# Altium PCB PCB1.PcbDoc (part 2 of 15)
Units mm, origin at the board's own origin, x right, y up, seen from the top; angles counter-clockwise.
Board outline 77.21 x 58.7 mm, 2 copper layers (Top Layer, Bottom Layer); 194 components, 134 nets, 25878 pads, 596 vias.
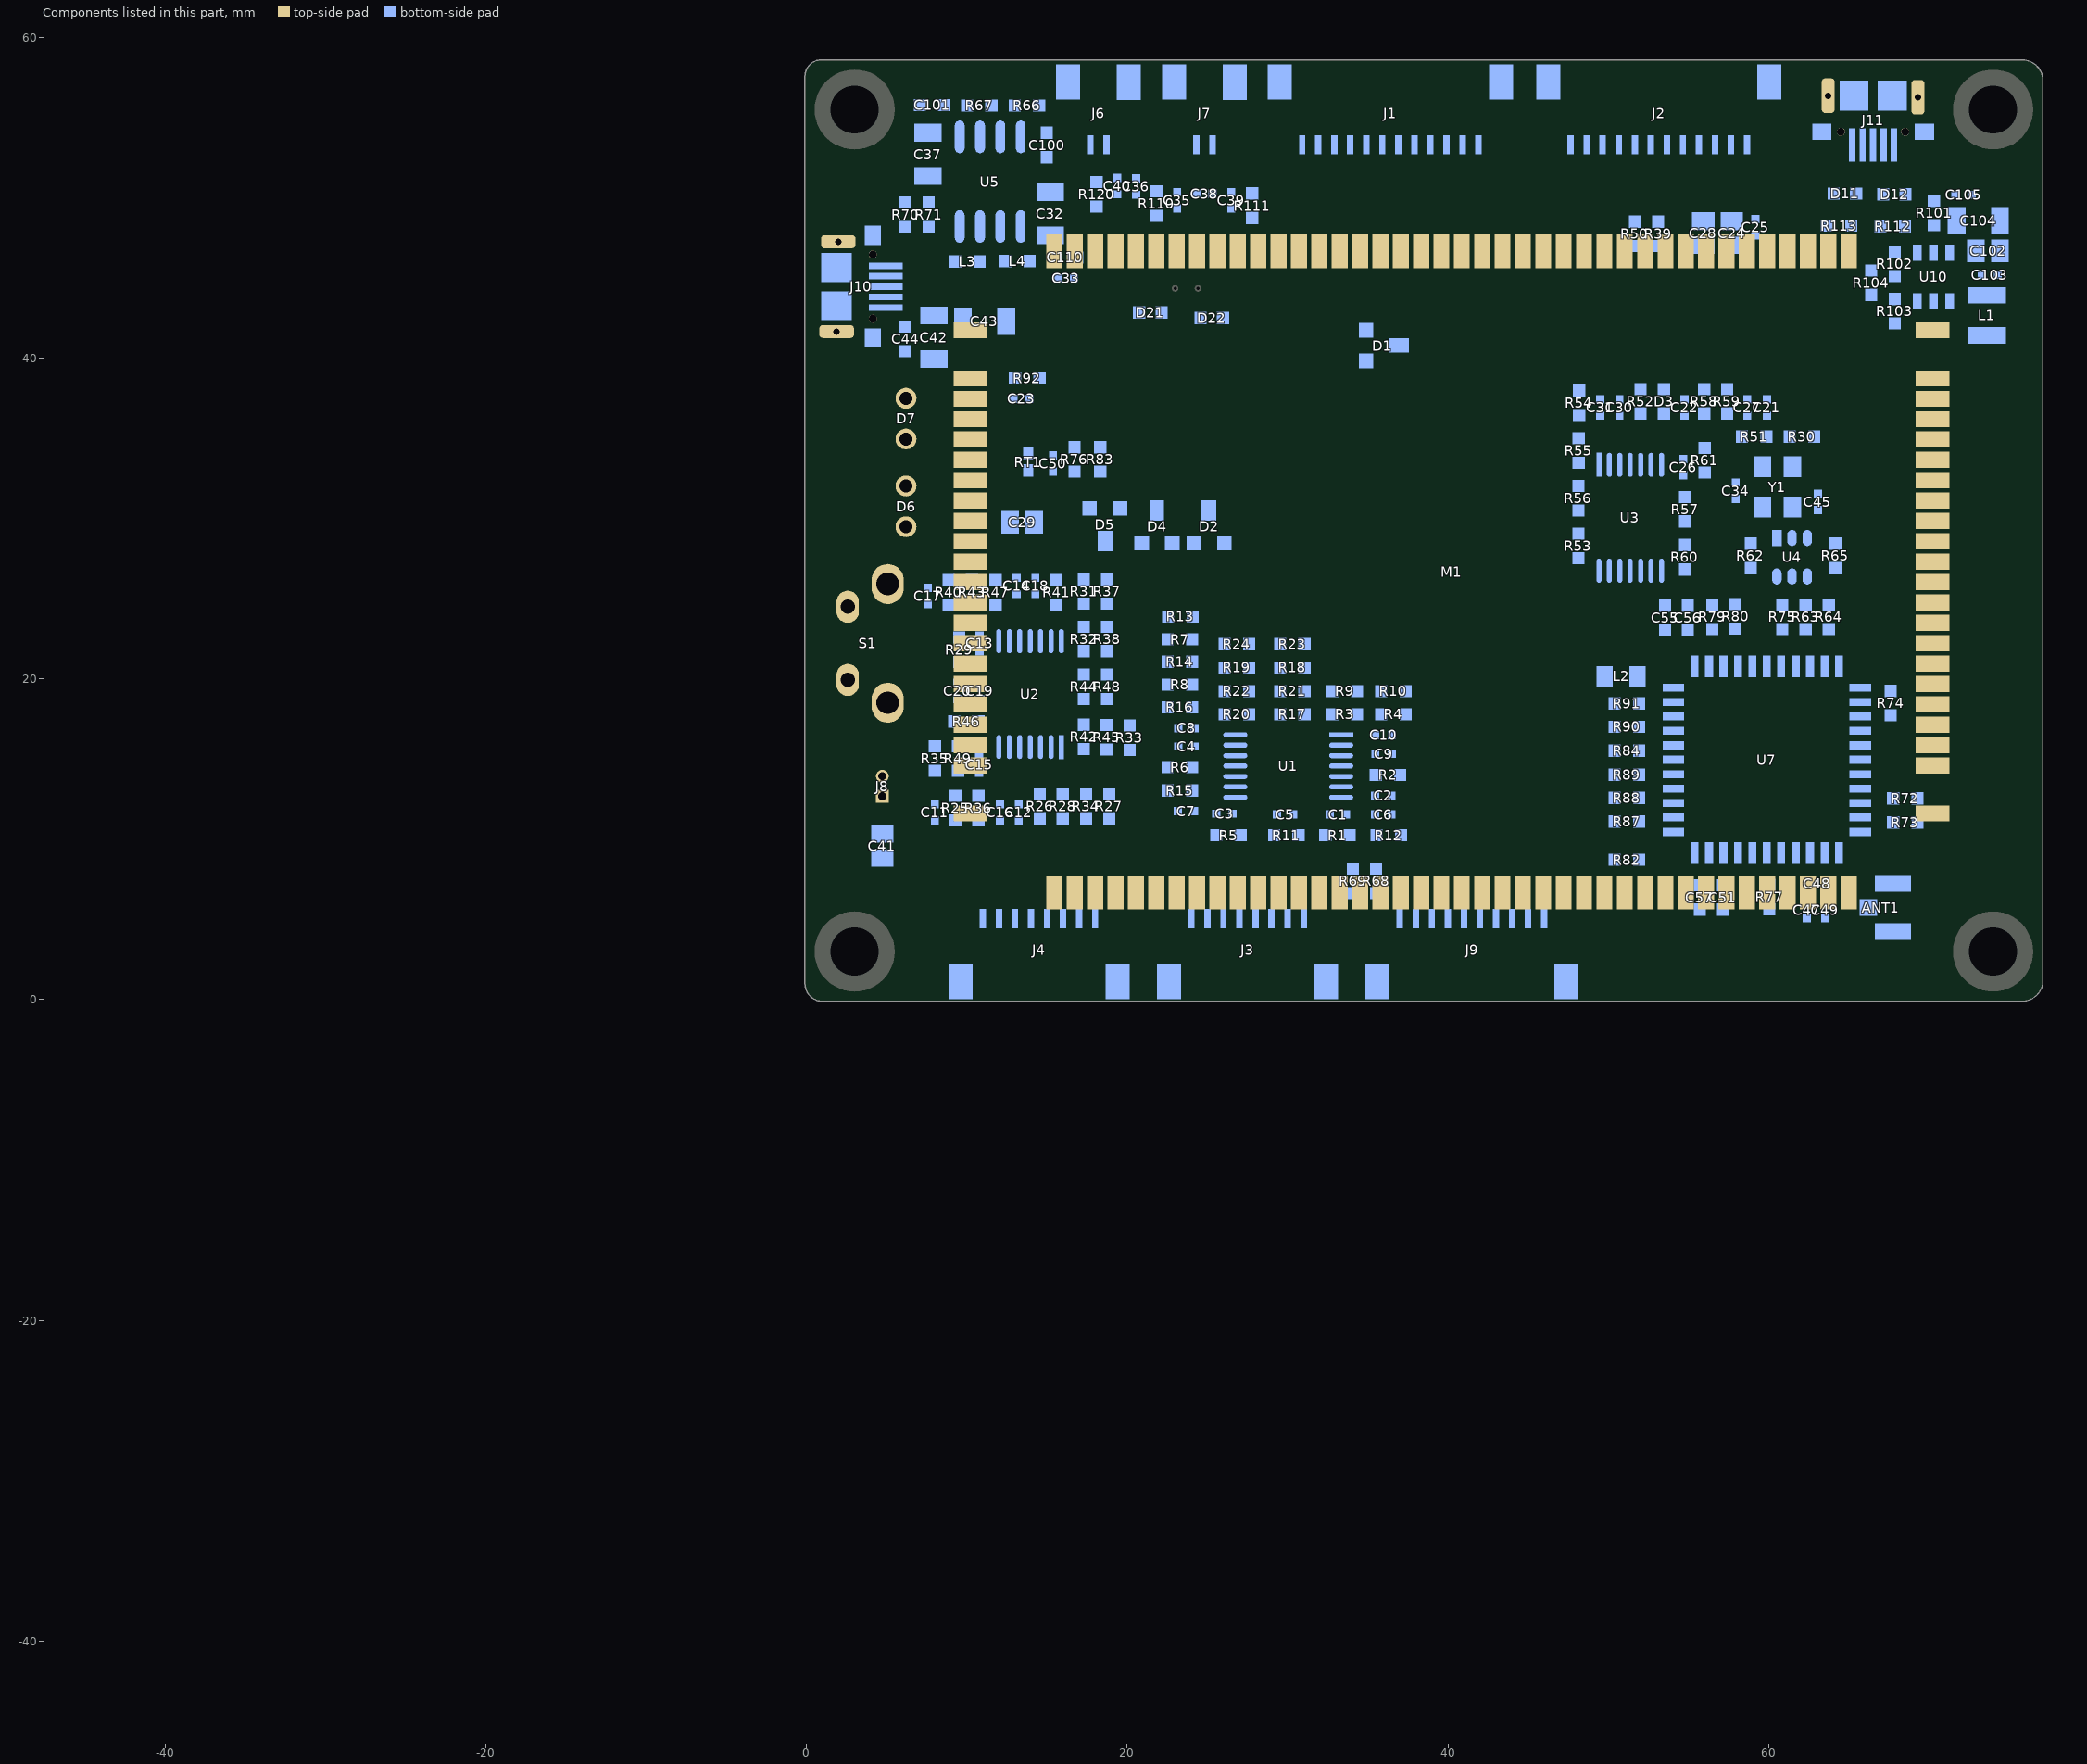
[diagram p2: the components of this part, seen from the top]

## Free pads (board coordinates) (continued)
  round 0 on Mech8: 1(-45.298,-44.004) 1(-45.298,-44.004) 1(-45.298,-44.004) 1(-45.298,-44.004) 1(-45.298,-44.004) 1(-45.298,-44.004) 1(-45.298,-44.001) 1(-45.298,-44.001) 1(-45.298,-44.001) 1(-45.298,-44.001) 1(-45.298,-44.001) 1(-45.298,-44.001) 1(-45.296,-43.994) 1(-45.296,-43.994) 1(-45.296,-43.994) 1(-45.296,-43.994) 1(-45.296,-43.994) 1(-45.296,-43.994) 1(-45.296,-43.994) 1(-45.296,-43.994) 1(-45.296,-43.994) 1(-45.296,-43.994) 1(-45.296,-43.994) 1(-45.296,-43.994) 1(-45.296,-43.988) 1(-45.296,-43.988) 1(-45.296,-43.988) 1(-45.296,-43.988) 1(-45.296,-43.988) 1(-45.296,-43.988) 1(-45.296,-43.988) 1(-45.296,-43.988) 1(-45.296,-43.988) 1(-45.296,-43.988) 1(-45.296,-43.988) 1(-45.296,-43.988) 1(-45.296,-43.995) 1(-45.296,-43.995) 1(-45.296,-43.995) 1(-45.296,-43.995) 1(-45.296,-43.995) 1(-45.296,-43.995) 1(-45.296,-43.989) 1(-45.296,-43.989) 1(-45.296,-43.989) 1(-45.296,-43.989) 1(-45.296,-43.989) 1(-45.296,-43.989) 1(-45.295,-43.994) 1(-45.295,-43.994) 1(-45.295,-43.994) 1(-45.295,-43.994) 1(-45.295,-43.994) 1(-45.295,-43.994) 1(-45.295,-43.988) 1(-45.295,-43.988) 1(-45.295,-43.988) 1(-45.295,-43.988) 1(-45.295,-43.988) 1(-45.295,-43.988) 1(-45.295,-43.992) 1(-45.295,-43.992) 1(-45.295,-43.992) 1(-45.295,-43.986) 1(-45.295,-43.986) 1(-45.295,-43.986) 1(-45.295,-43.997) 1(-45.295,-43.997) 1(-45.295,-43.997) 1(-45.295,-43.997) 1(-45.295,-43.997) 1(-45.295,-43.997) 1(-45.295,-43.992) 1(-45.295,-43.992) 1(-45.295,-43.992) 1(-45.295,-43.991) 1(-45.295,-43.991) 1(-45.295,-43.991) 1(-45.295,-43.991) 1(-45.295,-43.991) 1(-45.295,-43.991) 1(-45.295,-43.986) 1(-45.295,-43.986) 1(-45.295,-43.986) 1(-45.295,-43.995) 1(-45.295,-43.995) 1(-45.295,-43.995) 1(-45.295,-43.994) 1(-45.295,-43.994) 1(-45.295,-43.994) 1(-45.295,-43.994) 1(-45.295,-43.994) 1(-45.295,-43.994) 1(-45.295,-43.994) 1(-45.295,-43.994) 1(-45.295,-43.994) 1(-45.295,-43.99) 1(-45.295,-43.99) 1(-45.295,-43.99) 1(-45.295,-43.989) 1(-45.295,-43.989) 1(-45.295,-43.989) 1(-45.295,-43.989) 1(-45.295,-43.989) 1(-45.295,-43.989) 1(-45.295,-43.988) 1(-45.295,-43.988) 1(-45.295,-43.988) 1(-45.294,-43.995) 1(-45.294,-43.995) 1(-45.294,-43.995) 1(-45.294,-43.995) 1(-45.294,-43.995) 1(-45.294,-43.995) 1(-45.294,-43.989) 1(-45.294,-43.989) 1(-45.294,-43.989) 1(-45.294,-43.989) 1(-45.294,-43.989) 1(-45.294,-43.989) 1(-45.294,-43.996) 1(-45.294,-43.996) 1(-45.294,-43.996) 1(-45.294,-43.992) 1(-45.294,-43.992) 1(-45.294,-43.992) 1(-45.294,-43.991) 1(-45.294,-43.991) 1(-45.294,-43.991) 1(-45.294,-43.986) 1(-45.294,-43.986) 1(-45.294,-43.986) 1(-45.294,-43.984) 1(-45.294,-43.984) 1(-45.294,-43.984) 1(-45.294,-43.984) 1(-45.294,-43.984) 1(-45.294,-43.984) 1(-45.294,-43.977) 1(-45.294,-43.977) 1(-45.294,-43.977) 1(-45.294,-43.977) 1(-45.294,-43.977) 1(-45.294,-43.977) 1(-45.294,-43.997) 1(-45.294,-43.997) 1(-45.294,-43.997) 1(-45.294,-43.997) 1(-45.294,-43.997) 1(-45.294,-43.997) 1(-45.294,-43.992) 1(-45.294,-43.992) 1(-45.294,-43.992) 1(-45.294,-43.992) 1(-45.294,-43.992) 1(-45.294,-43.992) 1(-45.294,-43.991) 1(-45.294,-43.991) 1(-45.294,-43.991) 1(-45.294,-43.991) 1(-45.294,-43.991) 1(-45.294,-43.991) 1(-45.294,-43.986) 1(-45.294,-43.986) 1(-45.294,-43.986) 1(-45.294,-43.986) 1(-45.294,-43.986) 1(-45.294,-43.986) 1(-45.294,-44.007) 1(-45.294,-44.007) 1(-45.294,-44.007) 1(-45.294,-44.007) 1(-45.294,-44.007) 1(-45.294,-44.007) 1(-45.294,-44.004) 1(-45.294,-44.004) 1(-45.294,-44.004) 1(-45.294,-44.004) 1(-45.294,-44.004) 1(-45.294,-44.004) 1(-45.294,-44.001) 1(-45.294,-44.001) 1(-45.294,-44.001) 1(-45.294,-44.001) 1(-45.294,-44.001) 1(-45.294,-44.001) 1(-45.294,-43.999) 1(-45.294,-43.999) 1(-45.294,-43.999) 1(-45.294,-43.999) 1(-45.294,-43.999) 1(-45.294,-43.999) 1(-45.293,-43.995) 1(-45.293,-43.995) 1(-45.293,-43.995) 1(-45.293,-43.993) 1(-45.293,-43.993) 1(-45.293,-43.993) 1(-45.293,-43.99) 1(-45.293,-43.99) 1(-45.293,-43.99) 1(-45.293,-43.988) 1(-45.293,-43.988) 1(-45.293,-43.988) 1(-45.29,-44.013) 1(-45.29,-44.013) 1(-45.29,-44.013) 1(-45.29,-44.013) 1(-45.29,-44.013) 1(-45.29,-44.013) 1(-45.29,-44.01) 1(-45.29,-44.01) 1(-45.29,-44.01) 1(-45.29,-44.01) 1(-45.29,-44.01) 1(-45.29,-44.01) 1(-45.29,-44.007) 1(-45.29,-44.007) 1(-45.29,-44.007) 1(-45.29,-43.999) 1(-45.29,-43.999) 1(-45.29,-43.999) 1(-45.289,-43.995) 1(-45.289,-43.995) 1(-45.289,-43.995) 1(-45.289,-43.99) 1(-45.289,-43.99) 1(-45.289,-43.99) 1(-45.289,-43.984) 1(-45.289,-43.984) 1(-45.289,-43.984) 1(-45.289,-43.984) 1(-45.289,-43.984) 1(-45.289,-43.984) 1(-45.289,-43.982) 1(-45.289,-43.982) 1(-45.289,-43.982) 1(-45.289,-43.979) 1(-45.289,-43.979) 1(-45.289,-43.979) 1(-45.289,-43.977) 1(-45.289,-43.977) 1(-45.289,-43.977) 1(-45.289,-43.977) 1(-45.289,-43.977) 1(-45.289,-43.977) 1(-45.288,-43.993) 1(-45.288,-43.993) 1(-45.288,-43.993) 1(-45.288,-43.988) 1(-45.288,-43.988) 1(-45.288,-43.988) 1(-45.288,-43.983) 1(-45.288,-43.983) 1(-45.288,-43.983) 1(-45.288,-43.983) 1(-45.288,-43.983) 1(-45.288,-43.983) 1(-45.288,-43.983) 1(-45.288,-43.983) 1(-45.288,-43.983) 1(-45.288,-43.977) 1(-45.288,-43.977) 1(-45.288,-43.977) 1(-45.288,-43.977) 1(-45.288,-43.977) 1(-45.288,-43.977) 1(-45.288,-43.976) 1(-45.288,-43.976) 1(-45.288,-43.976) 1(-45.288,-43.976) 1(-45.288,-43.976) 1(-45.288,-43.976) 1(-45.288,-43.975) 1(-45.288,-43.975) 1(-45.288,-43.975) 1(-45.288,-43.975) 1(-45.288,-43.975) 1(-45.288,-43.975) 1(-45.288,-44.013) 1(-45.288,-44.013) 1(-45.288,-44.013) 1(-45.288,-44.013) 1(-45.288,-44.013) 1(-45.288,-44.013) 1(-45.288,-44.01) 1(-45.288,-44.01) 1(-45.288,-44.01) 1(-45.288,-44.01) 1(-45.288,-44.01) 1(-45.288,-44.01) 1(-45.287,-44.007) 1(-45.287,-44.007) 1(-45.287,-44.007) 1(-45.287,-43.999) 1(-45.287,-43.999) 1(-45.287,-43.999) 1(-45.287,-43.983) 1(-45.287,-43.983) 1(-45.287,-43.983) 1(-45.287,-43.983) 1(-45.287,-43.983) 1(-45.287,-43.983) 1(-45.287,-43.983) 1(-45.287,-43.983) 1(-45.287,-43.983) 1(-45.287,-43.977) 1(-45.287,-43.977) 1(-45.287,-43.977) 1(-45.287,-43.977) 1(-45.287,-43.977) 1(-45.287,-43.977) 1(-45.287,-43.976) 1(-45.287,-43.976) 1(-45.287,-43.976) 1(-45.287,-43.976) 1(-45.287,-43.976) 1(-45.287,-43.976) 1(-45.287,-43.975) 1(-45.287,-43.975) 1(-45.287,-43.975) 1(-45.287,-43.975) 1(-45.287,-43.975) 1(-45.287,-43.975) 1(-45.287,-44.007) 1(-45.287,-44.007) 1(-45.287,-44.007) 1(-45.287,-44.007) 1(-45.287,-44.007) 1(-45.287,-44.007) 1(-45.287,-43.999) 1(-45.287,-43.999) 1(-45.287,-43.999) 1(-45.287,-43.999) 1(-45.287,-43.999) 1(-45.287,-43.999) 1(-45.287,-43.977) 1(-45.287,-43.977) 1(-45.287,-43.977) 1(-45.287,-43.977) 1(-45.287,-43.977) 1(-45.287,-43.977) 1(-45.287,-43.976) 1(-45.287,-43.976) 1(-45.287,-43.976) 1(-45.287,-43.976) 1(-45.287,-43.976) 1(-45.287,-43.976) 1(-45.287,-43.975) 1(-45.287,-43.975) 1(-45.287,-43.975) 1(-45.287,-43.975) 1(-45.287,-43.975) 1(-45.287,-43.975) 1(-45.286,-43.999) 1(-45.286,-43.999) 1(-45.286,-43.999) 1(-45.286,-43.999) 1(-45.286,-43.999) 1(-45.286,-43.999) 1(-45.286,-44.011) 1(-45.286,-44.011) 1(-45.286,-44.011) 1(-45.286,-44.011) 1(-45.286,-44.011) 1(-45.286,-44.011) 1(-45.286,-44.01) 1(-45.286,-44.01) 1(-45.286,-44.01) 1(-45.286,-44.01) 1(-45.286,-44.01) 1(-45.286,-44.01) 1(-45.286,-44.008) 1(-45.286,-44.008) 1(-45.286,-44.008) 1(-45.286,-44.008) 1(-45.286,-44.008) 1(-45.286,-44.008) 1(-45.286,-43.999) 1(-45.286,-43.999) 1(-45.286,-43.999) 1(-45.286,-43.999) 1(-45.286,-43.999) 1(-45.286,-43.999) 1(-45.286,-44.012) 1(-45.286,-44.012) 1(-45.286,-44.012) 1(-45.286,-44.012) 1(-45.286,-44.012) 1(-45.286,-44.012) 1(-45.286,-43.999) 1(-45.286,-43.999) 1(-45.286,-43.999) 1(-45.286,-43.999) 1(-45.286,-43.999) 1(-45.286,-43.999) 1(-45.286,-44.012) 1(-45.286,-44.012) 1(-45.286,-44.012) 1(-45.286,-44.012) 1(-45.286,-44.012) 1(-45.286,-44.012) 1(-45.285,-43.97) 1(-45.285,-43.97) 1(-45.285,-43.97) 1(-45.285,-43.969) 1(-45.285,-43.969) 1(-45.285,-43.969) 1(-45.285,-44.001) 1(-45.285,-44.001) 1(-45.285,-44.001) 1(-45.285,-44.001) 1(-45.285,-44.001) 1(-45.285,-44.001) 1(-45.285,-44) 1(-45.285,-44) 1(-45.285,-44) 1(-45.285,-43.999) 1(-45.285,-43.999) 1(-45.285,-43.999) 1(-45.285,-43.998) 1(-45.285,-43.998) 1(-45.285,-43.998) 1(-45.285,-43.998) 1(-45.285,-43.998) 1(-45.285,-43.998) 1(-45.285,-44.012) 1(-45.285,-44.012) 1(-45.285,-44.012) 1(-45.285,-44.012) 1(-45.285,-44.012) 1(-45.285,-44.012) 1(-45.285,-43.977) 1(-45.285,-43.977) 1(-45.285,-43.977) 1(-45.285,-43.977) 1(-45.285,-43.977) 1(-45.285,-43.977) 1(-45.285,-43.976) 1(-45.285,-43.976) 1(-45.285,-43.976) 1(-45.285,-43.976) 1(-45.285,-43.976) 1(-45.285,-43.976) 1(-45.285,-43.975) 1(-45.285,-43.975) 1(-45.285,-43.975) 1(-45.285,-43.975) 1(-45.285,-43.975) 1(-45.285,-43.975) 1(-45.285,-44.008) 1(-45.285,-44.008) 1(-45.285,-44.008) 1(-45.285,-44.008) 1(-45.285,-44.008) 1(-45.285,-44.008) 1(-45.285,-44.007) 1(-45.285,-44.007) 1(-45.285,-44.007) 1(-45.285,-44.007) 1(-45.285,-44.007) 1(-45.285,-44.007) 1(-45.285,-44.014) 1(-45.285,-44.014) 1(-45.285,-44.014) 1(-45.285,-44.014) 1(-45.285,-44.014) 1(-45.285,-44.014) 1(-45.285,-44.013) 1(-45.285,-44.013) 1(-45.285,-44.013) 1(-45.285,-44.013) 1(-45.285,-44.013) 1(-45.285,-44.013) 1(-45.285,-44.012) 1(-45.285,-44.012) 1(-45.285,-44.012) 1(-45.285,-44.012) 1(-45.285,-44.012) 1(-45.285,-44.012) 1(-45.285,-44.011) 1(-45.285,-44.011) 1(-45.285,-44.011) 1(-45.285,-44.011) 1(-45.285,-44.011) 1(-45.285,-44.011) 1(-45.285,-44.01) 1(-45.285,-44.01) 1(-45.285,-44.01) 1(-45.285,-44.01) 1(-45.285,-44.01) 1(-45.285,-44.01) 1(-45.285,-44.008) 1(-45.285,-44.008) 1(-45.285,-44.008) 1(-45.285,-44.008) 1(-45.285,-44.008) 1(-45.285,-44.008) 1(-45.285,-43.98) 1(-45.285,-43.98) 1(-45.285,-43.98) 1(-45.285,-43.98) 1(-45.285,-43.98) 1(-45.285,-43.98) 1(-45.285,-43.978) 1(-45.285,-43.978) 1(-45.285,-43.978) 1(-45.285,-43.978) 1(-45.285,-43.978) 1(-45.285,-43.978) 1(-45.285,-44.011) 1(-45.285,-44.011) 1(-45.285,-44.011) 1(-45.285,-44.011) 1(-45.285,-44.011) 1(-45.285,-44.011) 1(-45.285,-44.01) 1(-45.285,-44.01) 1(-45.285,-44.01) 1(-45.285,-44.01) 1(-45.285,-44.01) 1(-45.285,-44.01) 1(-45.285,-44.008) 1(-45.285,-44.008) 1(-45.285,-44.008) 1(-45.285,-44.008) 1(-45.285,-44.008) 1(-45.285,-44.008) 1(-45.285,-44.005) 1(-45.285,-44.005) 1(-45.285,-44.005) 1(-45.285,-44.005) 1(-45.285,-44.005) 1(-45.285,-44.005) 1(-45.285,-44.003) 1(-45.285,-44.003) 1(-45.285,-44.003) 1(-45.285,-44.003) 1(-45.285,-44.003) 1(-45.285,-44.003) 1(-45.285,-44.002) 1(-45.285,-44.002) 1(-45.285,-44.002) 1(-45.285,-44.002) 1(-45.285,-44.002) 1(-45.285,-44.002) 1(-45.285,-43.975) 1(-45.285,-43.975) 1(-45.285,-43.975) 1(-45.285,-43.975) 1(-45.285,-43.975) 1(-45.285,-43.975) 1(-45.285,-43.975) 1(-45.285,-43.975) 1(-45.285,-43.975) 1(-45.285,-43.975) 1(-45.285,-43.975) 1(-45.285,-43.975) 1(-45.285,-43.973) 1(-45.285,-43.973) 1(-45.285,-43.973) 1(-45.285,-43.973) 1(-45.285,-43.973) 1(-45.285,-43.973) 1(-45.285,-43.973) 1(-45.285,-43.973) 1(-45.285,-43.973) 1(-45.285,-43.973) 1(-45.285,-43.973) 1(-45.285,-43.973) 1(-45.285,-43.97) 1(-45.285,-43.97) 1(-45.285,-43.97) 1(-45.285,-43.97) 1(-45.285,-43.97) 1(-45.285,-43.97) 1(-45.285,-43.969) 1(-45.285,-43.969) 1(-45.285,-43.969) 1(-45.285,-43.969) 1(-45.285,-43.969) 1(-45.285,-43.969) 1(-45.285,-44.007) 1(-45.285,-44.007) 1(-45.285,-44.007) 1(-45.285,-44.007) 1(-45.285,-44.007) 1(-45.285,-44.007) 1(-45.284,-43.97) 1(-45.284,-43.97) 1(-45.284,-43.97) 1(-45.284,-43.97) 1(-45.284,-43.97) 1(-45.284,-43.97) 1(-45.284,-43.969) 1(-45.284,-43.969) 1(-45.284,-43.969) 1(-45.284,-43.969) 1(-45.284,-43.969) 1(-45.284,-43.969) 1(-45.284,-44.001) 1(-45.284,-44.001) 1(-45.284,-44.001) 1(-45.284,-44.001) 1(-45.284,-44.001) 1(-45.284,-44.001) 1(-45.284,-44) 1(-45.284,-44) 1(-45.284,-44) 1(-45.284,-43.999) 1(-45.284,-43.999) 1(-45.284,-43.999) 1(-45.284,-43.998) 1(-45.284,-43.998) 1(-45.284,-43.998) 1(-45.284,-43.998) 1(-45.284,-43.998) 1(-45.284,-43.998) 1(-45.284,-44.022) 1(-45.284,-44.022) 1(-45.284,-44.022) 1(-45.284,-44.02) 1(-45.284,-44.02) 1(-45.284,-44.02) 1(-45.284,-44.02) 1(-45.284,-44.02) 1(-45.284,-44.02) 1(-45.284,-44.007) 1(-45.284,-44.007) 1(-45.284,-44.007) 1(-45.284,-44.007) 1(-45.284,-44.007) 1(-45.284,-44.007) 1(-45.284,-44.008) 1(-45.284,-44.008) 1(-45.284,-44.008) 1(-45.284,-44.007) 1(-45.284,-44.007) 1(-45.284,-44.007) 1(-45.284,-43.98) 1(-45.284,-43.98) 1(-45.284,-43.98) 1(-45.284,-43.978) 1(-45.284,-43.978) 1(-45.284,-43.978) 1(-45.284,-44.007) 1(-45.284,-44.007) 1(-45.284,-44.007) 1(-45.284,-44.007) 1(-45.284,-44.007) 1(-45.284,-44.007) 1(-45.284,-44.001) 1(-45.284,-44.001) 1(-45.284,-44.001) 1(-45.284,-44.001) 1(-45.284,-44.001) 1(-45.284,-44.001) 1(-45.284,-44) 1(-45.284,-44) 1(-45.284,-44) 1(-45.284,-43.999) 1(-45.284,-43.999) 1(-45.284,-43.999) 1(-45.284,-43.998) 1(-45.284,-43.998) 1(-45.284,-43.998) 1(-45.284,-43.998) 1(-45.284,-43.998) 1(-45.284,-43.998) 1(-45.284,-44.014) 1(-45.284,-44.014) 1(-45.284,-44.014) 1(-45.284,-44.014) 1(-45.284,-44.014) 1(-45.284,-44.014) 1(-45.284,-44.013) 1(-45.284,-44.013) 1(-45.284,-44.013) 1(-45.284,-44.013) 1(-45.284,-44.013) 1(-45.284,-44.013) 1(-45.284,-44.012) 1(-45.284,-44.012) 1(-45.284,-44.012) 1(-45.284,-44.012) 1(-45.284,-44.012) 1(-45.284,-44.012) 1(-45.284,-44.014) 1(-45.284,-44.014) 1(-45.284,-44.014) 1(-45.284,-44.014) 1(-45.284,-44.014) 1(-45.284,-44.014) 1(-45.284,-44.013) 1(-45.284,-44.013) 1(-45.284,-44.013) 1(-45.284,-44.013) 1(-45.284,-44.013) 1(-45.284,-44.013) 1(-45.284,-44.012) 1(-45.284,-44.012) 1(-45.284,-44.012) 1(-45.284,-44.012) 1(-45.284,-44.012) 1(-45.284,-44.012) 1(-45.284,-44.011) 1(-45.284,-44.011) 1(-45.284,-44.011) 1(-45.284,-44.011) 1(-45.284,-44.011) 1(-45.284,-44.011) 1(-45.284,-44.01) 1(-45.284,-44.01) 1(-45.284,-44.01) 1(-45.284,-44.01) 1(-45.284,-44.01) 1(-45.284,-44.01) 1(-45.284,-44.008) 1(-45.284,-44.008) 1(-45.284,-44.008) 1(-45.284,-44.008) 1(-45.284,-44.008) 1(-45.284,-44.008) 1(-45.284,-44.005) 1(-45.284,-44.005) 1(-45.284,-44.005) 1(-45.284,-44.005) 1(-45.284,-44.005) 1(-45.284,-44.005) 1(-45.284,-44.003) 1(-45.284,-44.003) 1(-45.284,-44.003) 1(-45.284,-44.003) 1(-45.284,-44.003) 1(-45.284,-44.003) 1(-45.284,-44.002) 1(-45.284,-44.002) 1(-45.284,-44.002) 1(-45.284,-44.002) 1(-45.284,-44.002) 1(-45.284,-44.002) 1(-45.283,-44.008) 1(-45.283,-44.008) 1(-45.283,-44.008) 1(-45.283,-44.007) 1(-45.283,-44.007) 1(-45.283,-44.007) 1(-45.283,-43.97) 1(-45.283,-43.97) 1(-45.283,-43.97) 1(-45.283,-43.969) 1(-45.283,-43.969) 1(-45.283,-43.969) 1(-45.283,-44.02) 1(-45.283,-44.02) 1(-45.283,-44.02) 1(-45.283,-43.98) 1(-45.283,-43.98) 1(-45.283,-43.98) 1(-45.283,-43.978) 1(-45.283,-43.978) 1(-45.283,-43.978) 1(-45.283,-44.011) 1(-45.283,-44.011) 1(-45.283,-44.011) 1(-45.283,-44.011) 1(-45.283,-44.011) 1(-45.283,-44.011) 1(-45.283,-44.002) 1(-45.283,-44.002) 1(-45.283,-44.002) 1(-45.283,-44.002) 1(-45.283,-44.002) 1(-45.283,-44.002) 1(-45.283,-44.005) 1(-45.283,-44.005) 1(-45.283,-44.005) 1(-45.283,-44.005) 1(-45.283,-44.005) 1(-45.283,-44.005) 1(-45.283,-44.025) 1(-45.283,-44.025) 1(-45.283,-44.025) 1(-45.283,-44.002) 1(-45.283,-44.002) 1(-45.283,-44.002) 1(-45.283,-44.002) 1(-45.283,-44.002) 1(-45.283,-44.002) 1(-45.283,-44.005) 1(-45.283,-44.005) 1(-45.283,-44.005) 1(-45.283,-44.005) 1(-45.283,-44.005) 1(-45.283,-44.005) 1(-45.283,-44.011) 1(-45.283,-44.011) 1(-45.283,-44.011) 1(-45.283,-44.011) 1(-45.283,-44.011) 1(-45.283,-44.011) 1(-45.283,-44.001) 1(-45.283,-44.001) 1(-45.283,-44.001) 1(-45.283,-44.001) 1(-45.283,-44.001) 1(-45.283,-44.001) 1(-45.283,-44) 1(-45.283,-44) 1(-45.283,-44) 1(-45.283,-43.999) 1(-45.283,-43.999) 1(-45.283,-43.999) 1(-45.283,-43.998) 1(-45.283,-43.998) 1(-45.283,-43.998) 1(-45.283,-43.998) 1(-45.283,-43.998) 1(-45.283,-43.998) 1(-45.283,-44.011) 1(-45.283,-44.011) 1(-45.283,-44.011) 1(-45.283,-44.011) 1(-45.283,-44.011) 1(-45.283,-44.011) 1(-45.283,-44.002) 1(-45.283,-44.002) 1(-45.283,-44.002) 1(-45.283,-44.002) 1(-45.283,-44.002) 1(-45.283,-44.002) 1(-45.283,-44.005) 1(-45.283,-44.005) 1(-45.283,-44.005) 1(-45.283,-44.005) 1(-45.283,-44.005) 1(-45.283,-44.005) 1(-45.283,-44.001) 1(-45.283,-44.001) 1(-45.283,-44.001) 1(-45.283,-44.001) 1(-45.283,-44.001) 1(-45.283,-44.001) 1(-45.283,-44) 1(-45.283,-44) 1(-45.283,-44) 1(-45.283,-43.999) 1(-45.283,-43.999) 1(-45.283,-43.999) 1(-45.283,-43.998) 1(-45.283,-43.998) 1(-45.283,-43.998) 1(-45.283,-43.998) 1(-45.283,-43.998) 1(-45.283,-43.998) 1(-45.283,-43.97) 1(-45.283,-43.97) 1(-45.283,-43.97) 1(-45.283,-43.969) 1(-45.283,-43.969) 1(-45.283,-43.969) 1(-45.282,-44.011) 1(-45.282,-44.011) 1(-45.282,-44.011) 1(-45.282,-44.014) 1(-45.282,-44.014) 1(-45.282,-44.014) 1(-45.282,-44.014) 1(-45.282,-44.014) 1(-45.282,-44.014) 1(-45.282,-44.013) 1(-45.282,-44.013) 1(-45.282,-44.013) 1(-45.282,-44.013) 1(-45.282,-44.013) 1(-45.282,-44.013) 1(-45.282,-44.012) 1(-45.282,-44.012) 1(-45.282,-44.012) 1(-45.282,-44.012) 1(-45.282,-44.012) 1(-45.282,-44.012) 1(-45.282,-44.008) 1(-45.282,-44.008) 1(-45.282,-44.008) 1(-45.282,-44.008) 1(-45.282,-44.008) 1(-45.282,-44.008) 1(-45.282,-44.007) 1(-45.282,-44.007) 1(-45.282,-44.007) 1(-45.282,-44.007) 1(-45.282,-44.007) 1(-45.282,-44.007) 1(-45.282,-43.98) 1(-45.282,-43.98) 1(-45.282,-43.98) 1(-45.282,-43.98) 1(-45.282,-43.98) 1(-45.282,-43.98) 1(-45.282,-43.978) 1(-45.282,-43.978) 1(-45.282,-43.978) 1(-45.282,-43.978) 1(-45.282,-43.978) 1(-45.282,-43.978) 1(-45.282,-44.008) 1(-45.282,-44.008) 1(-45.282,-44.008) 1(-45.282,-44.008) 1(-45.282,-44.008) 1(-45.282,-44.008) 1(-45.282,-44.004) 1(-45.282,-44.004) 1(-45.282,-44.004) 1(-45.282,-44.004) 1(-45.282,-44.004) 1(-45.282,-44.004) 1(-45.282,-44.011) 1(-45.282,-44.011) 1(-45.282,-44.011) 1(-45.282,-44.011) 1(-45.282,-44.011) 1(-45.282,-44.011) 1(-45.282,-43.98) 1(-45.282,-43.98) 1(-45.282,-43.98) 1(-45.282,-43.98) 1(-45.282,-43.98) 1(-45.282,-43.98) 1(-45.282,-43.978) 1(-45.282,-43.978) 1(-45.282,-43.978) 1(-45.282,-43.978) 1(-45.282,-43.978) 1(-45.282,-43.978) 1(-45.282,-44.014) 1(-45.282,-44.014) 1(-45.282,-44.014) 1(-45.282,-44.014) 1(-45.282,-44.014) 1(-45.282,-44.014) 1(-45.282,-44.011) 1(-45.282,-44.011) 1(-45.282,-44.011) 1(-45.282,-44.011) 1(-45.282,-44.011) 1(-45.282,-44.011) 1(-45.282,-44.011) 1(-45.282,-44.011) 1(-45.282,-44.011) 1(-45.281,-43.97) 1(-45.281,-43.97) 1(-45.281,-43.97) 1(-45.281,-43.97) 1(-45.281,-43.97) 1(-45.281,-43.97) 1(-45.281,-43.969) 1(-45.281,-43.969) 1(-45.281,-43.969) 1(-45.281,-43.969) 1(-45.281,-43.969) 1(-45.281,-43.969) 1(-45.281,-44.014) 1(-45.281,-44.014) 1(-45.281,-44.014) 1(-45.281,-44.014) 1(-45.281,-44.014) 1(-45.281,-44.014) 1(-45.281,-44.014) 1(-45.281,-44.014) 1(-45.281,-44.014) 1(-45.281,-44.014) 1(-45.281,-44.014) 1(-45.281,-44.014) 1(-45.281,-43.97) 1(-45.281,-43.97) 1(-45.281,-43.97) 1(-45.281,-43.97) 1(-45.281,-43.97) 1(-45.281,-43.97) 1(-45.281,-43.969) 1(-45.281,-43.969) 1(-45.281,-43.969) 1(-45.281,-43.969) 1(-45.281,-43.969) 1(-45.281,-43.969) 1(-45.281,-43.987) 1(-45.281,-43.987) 1(-45.281,-43.987) 1(-45.281,-43.987) 1(-45.281,-43.987) 1(-45.281,-43.987) 1(-45.281,-43.986) 1(-45.281,-43.986) 1(-45.281,-43.986) 1(-45.281,-43.986) 1(-45.281,-43.986) 1(-45.281,-43.986) 1(-45.281,-44.001) 1(-45.281,-44.001) 1(-45.281,-44.001) 1(-45.281,-44.001) 1(-45.281,-44.001) 1(-45.281,-44.001) 1(-45.281,-44) 1(-45.281,-44) 1(-45.281,-44) 1(-45.281,-43.999) 1(-45.281,-43.999) 1(-45.281,-43.999) 1(-45.281,-43.998) 1(-45.281,-43.998) 1(-45.281,-43.998) 1(-45.281,-43.998) 1(-45.281,-43.998) 1(-45.281,-43.998) 1(-45.281,-43.98) 1(-45.281,-43.98) 1(-45.281,-43.98) 1(-45.281,-43.978) 1(-45.281,-43.978) 1(-45.281,-43.978) 1(-45.281,-44) 1(-45.281,-44) 1(-45.281,-44) 1(-45.281,-44) 1(-45.281,-44) 1(-45.281,-44) 1(-45.281,-44.012) 1(-45.281,-44.012) 1(-45.281,-44.012) 1(-45.281,-44.012) 1(-45.281,-44.012) 1(-45.281,-44.012) 1(-45.281,-43.993) 1(-45.281,-43.993) 1(-45.281,-43.993) 1(-45.281,-43.993) 1(-45.281,-43.993) 1(-45.281,-43.993) 1(-45.281,-43.992) 1(-45.281,-43.992) 1(-45.281,-43.992) 1(-45.281,-43.991) 1(-45.281,-43.991) 1(-45.281,-43.991) 1(-45.281,-43.99) 1(-45.281,-43.99) 1(-45.281,-43.99) 1(-45.281,-43.99) 1(-45.281,-43.99) 1(-45.281,-43.99) 1(-45.281,-44.012) 1(-45.281,-44.012) 1(-45.281,-44.012) 1(-45.281,-44.012) 1(-45.281,-44.012) 1(-45.281,-44.012) 1(-45.28,-44) 1(-45.28,-44) 1(-45.28,-44) 1(-45.28,-44) 1(-45.28,-44) 1(-45.28,-44) 1(-45.28,-44) 